# Altium PCB PROC054D_MMWCAS_RF_EVM_ASCII.PcbDoc (part 1 of 13) (continued)
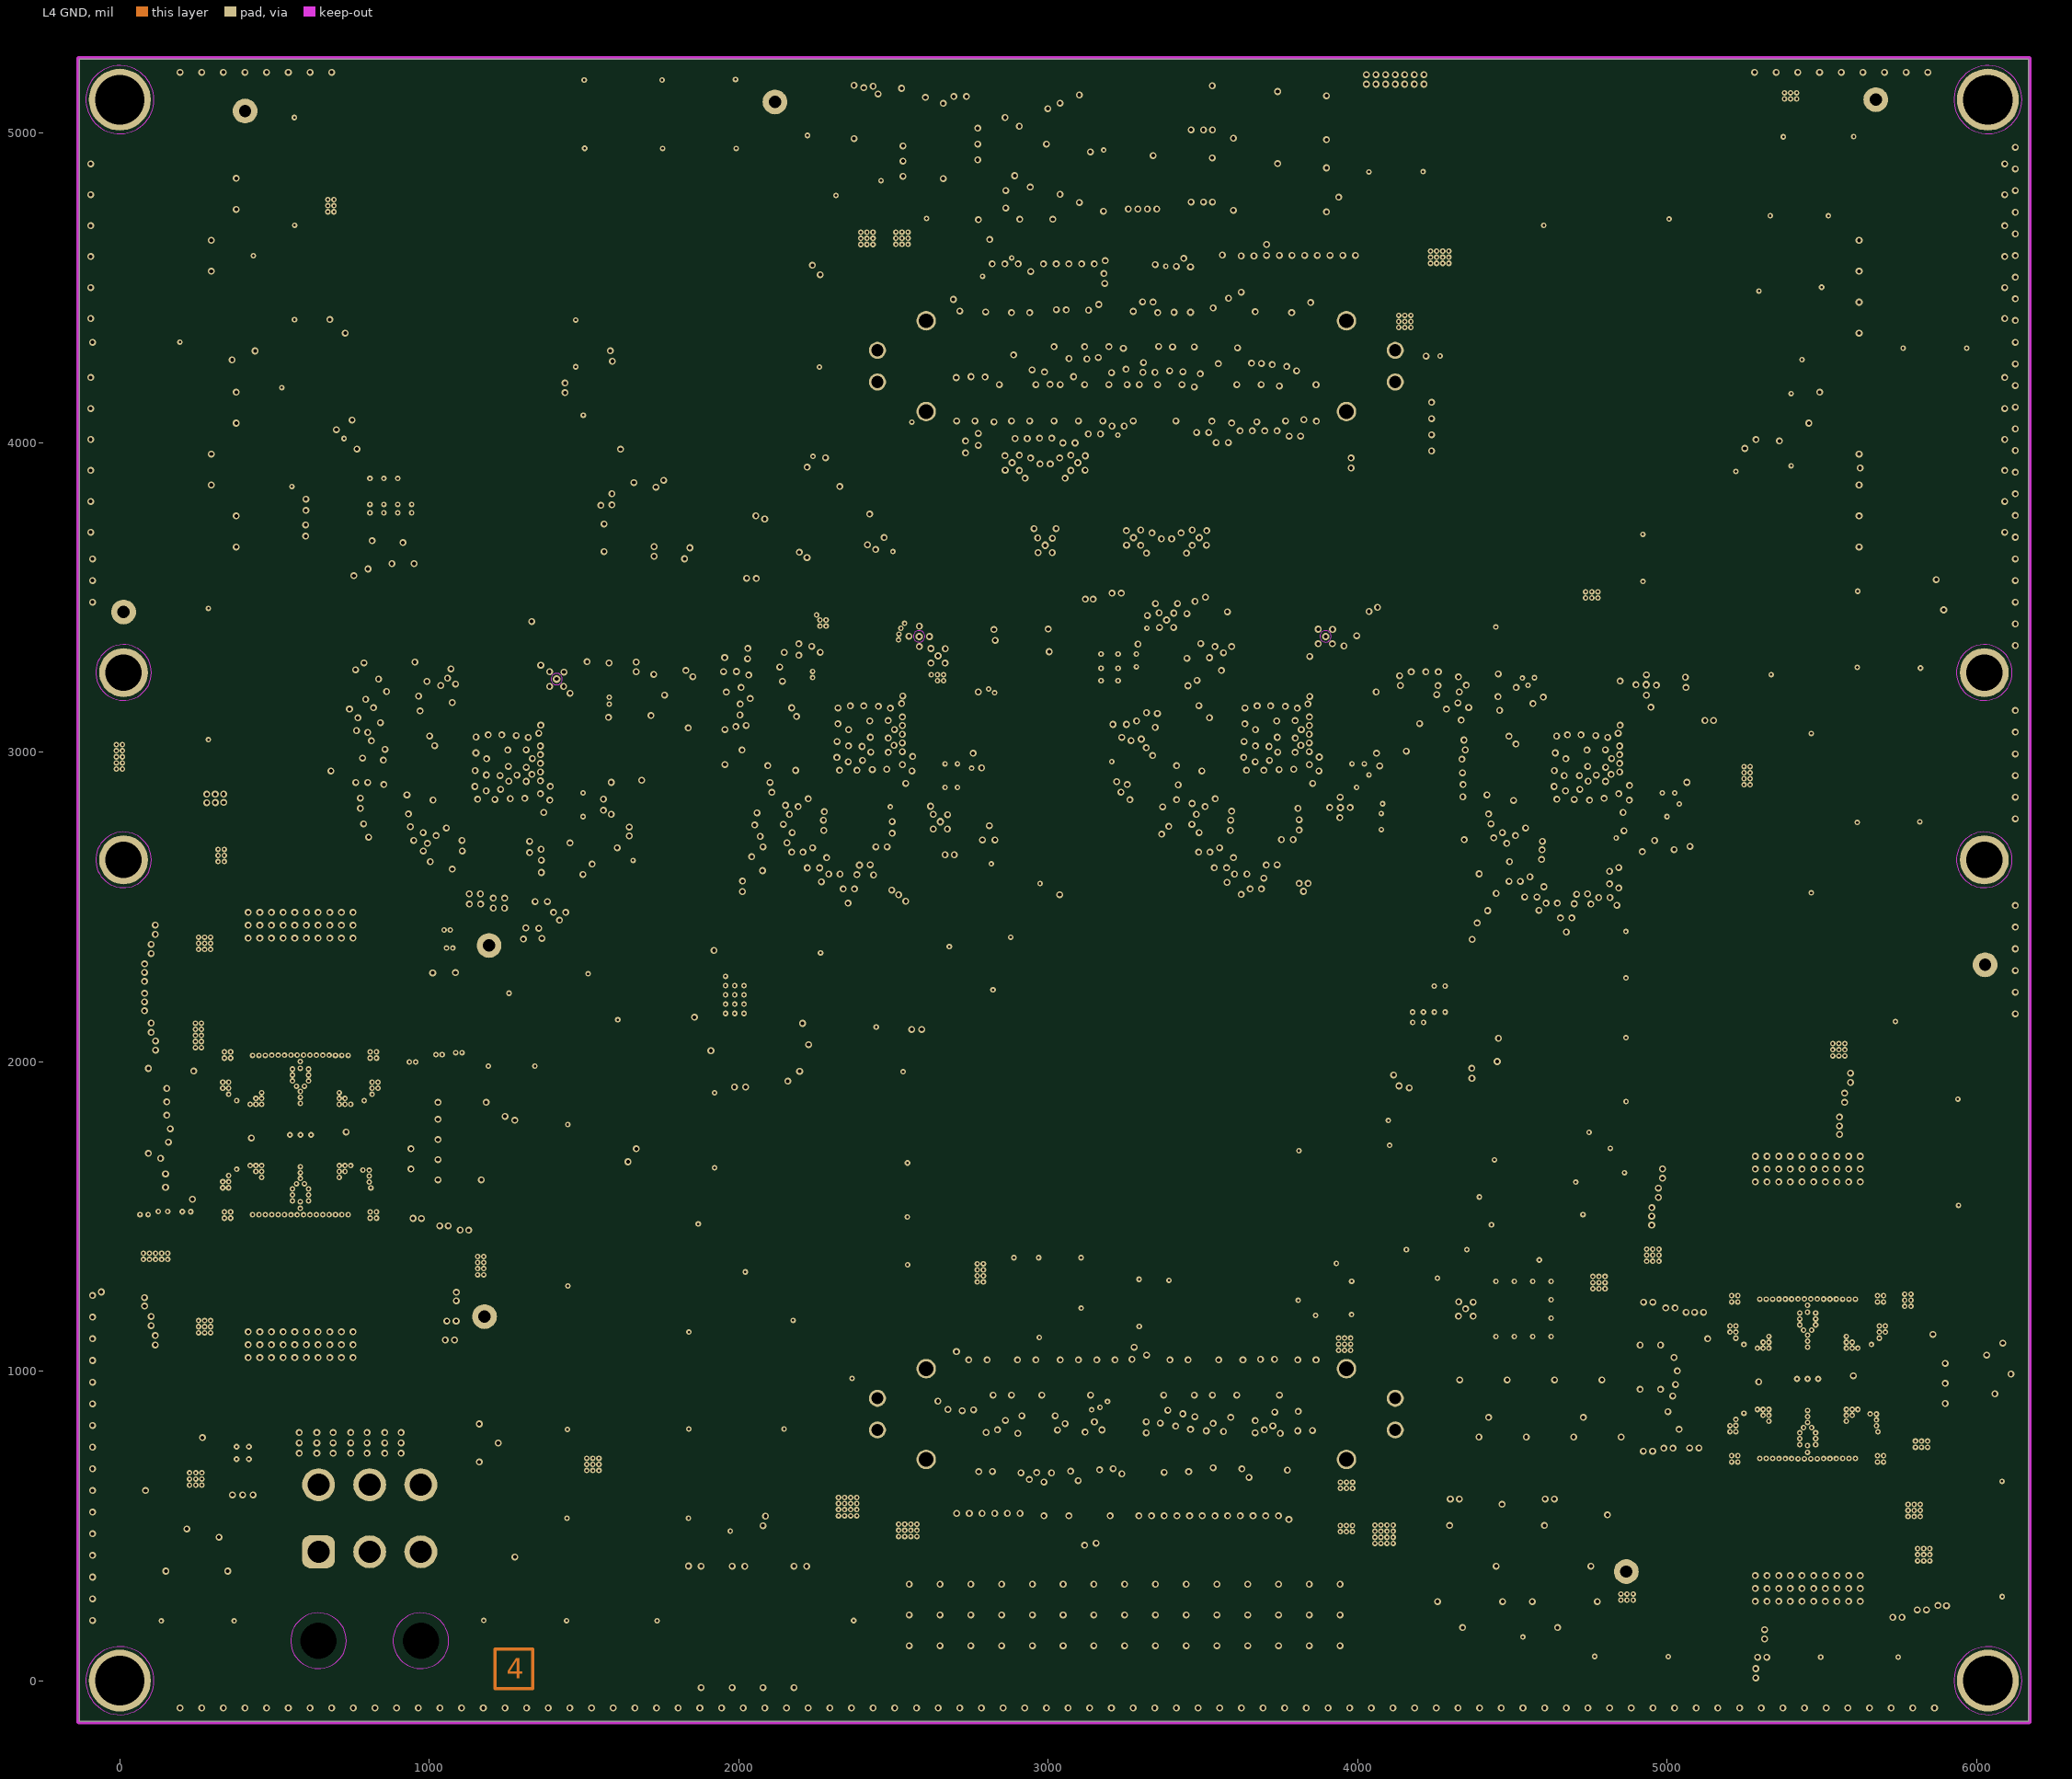
[diagram p4: L4 GND]
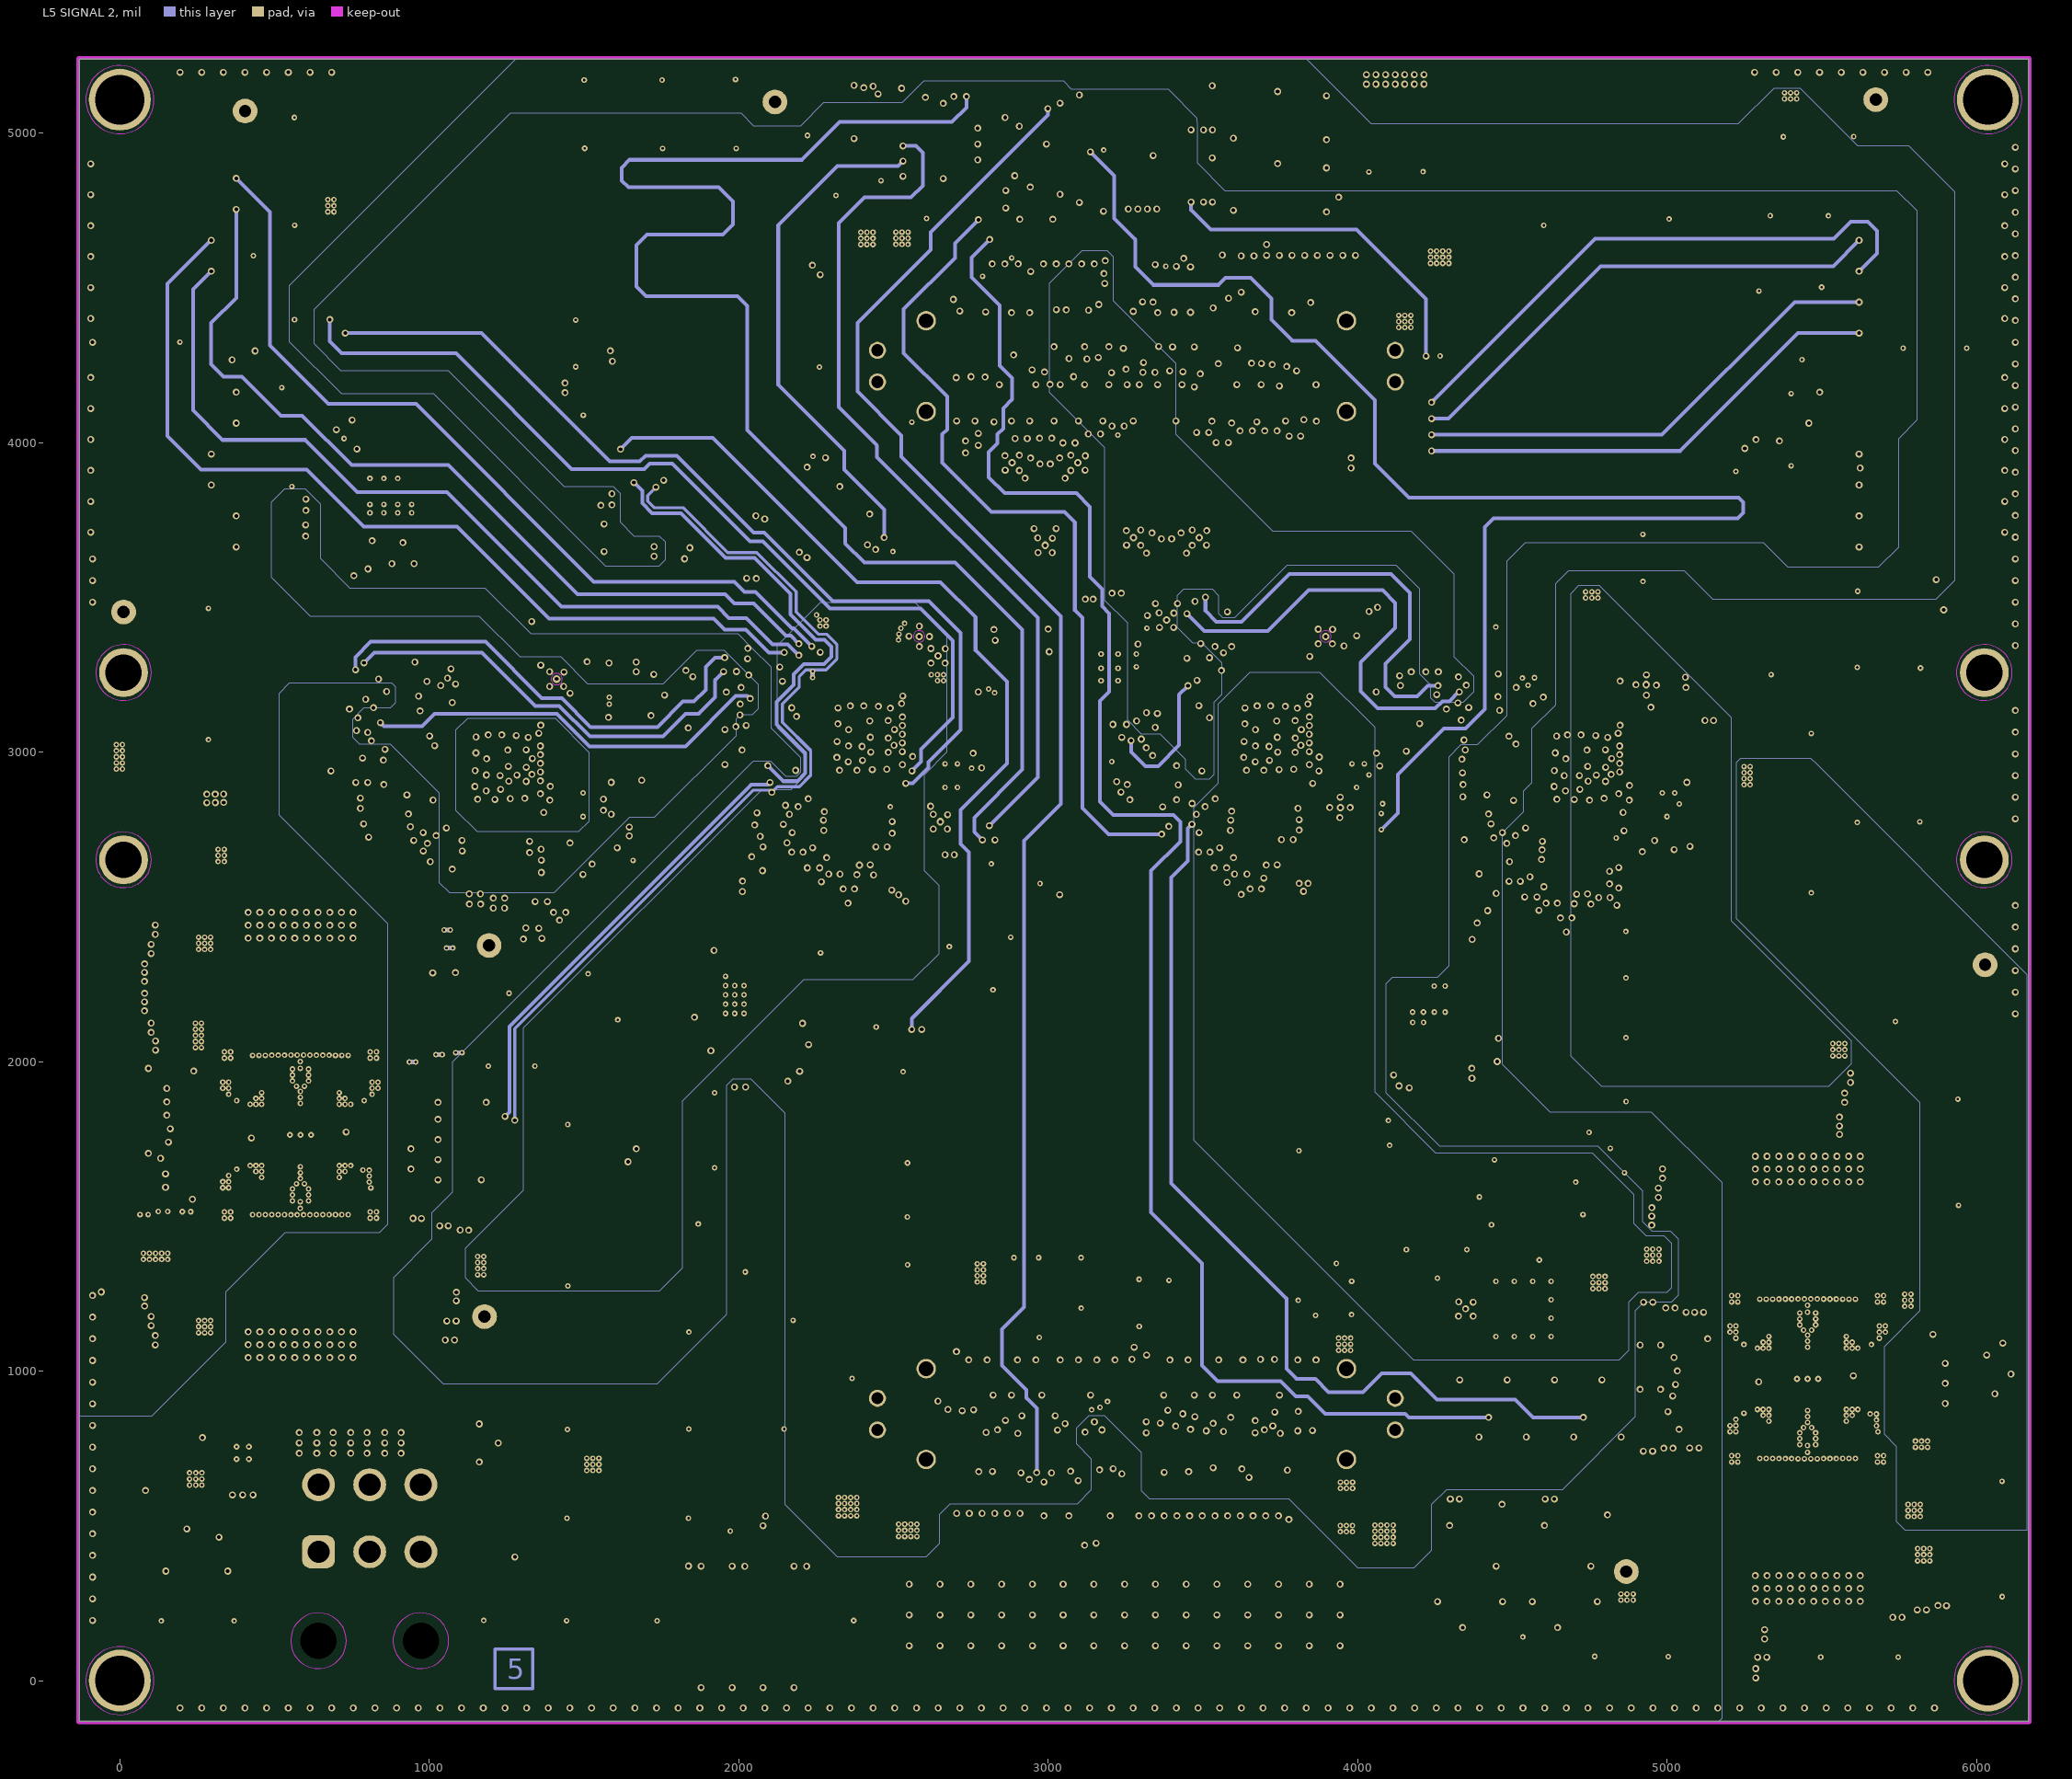
[diagram p5: L5 SIGNAL 2]
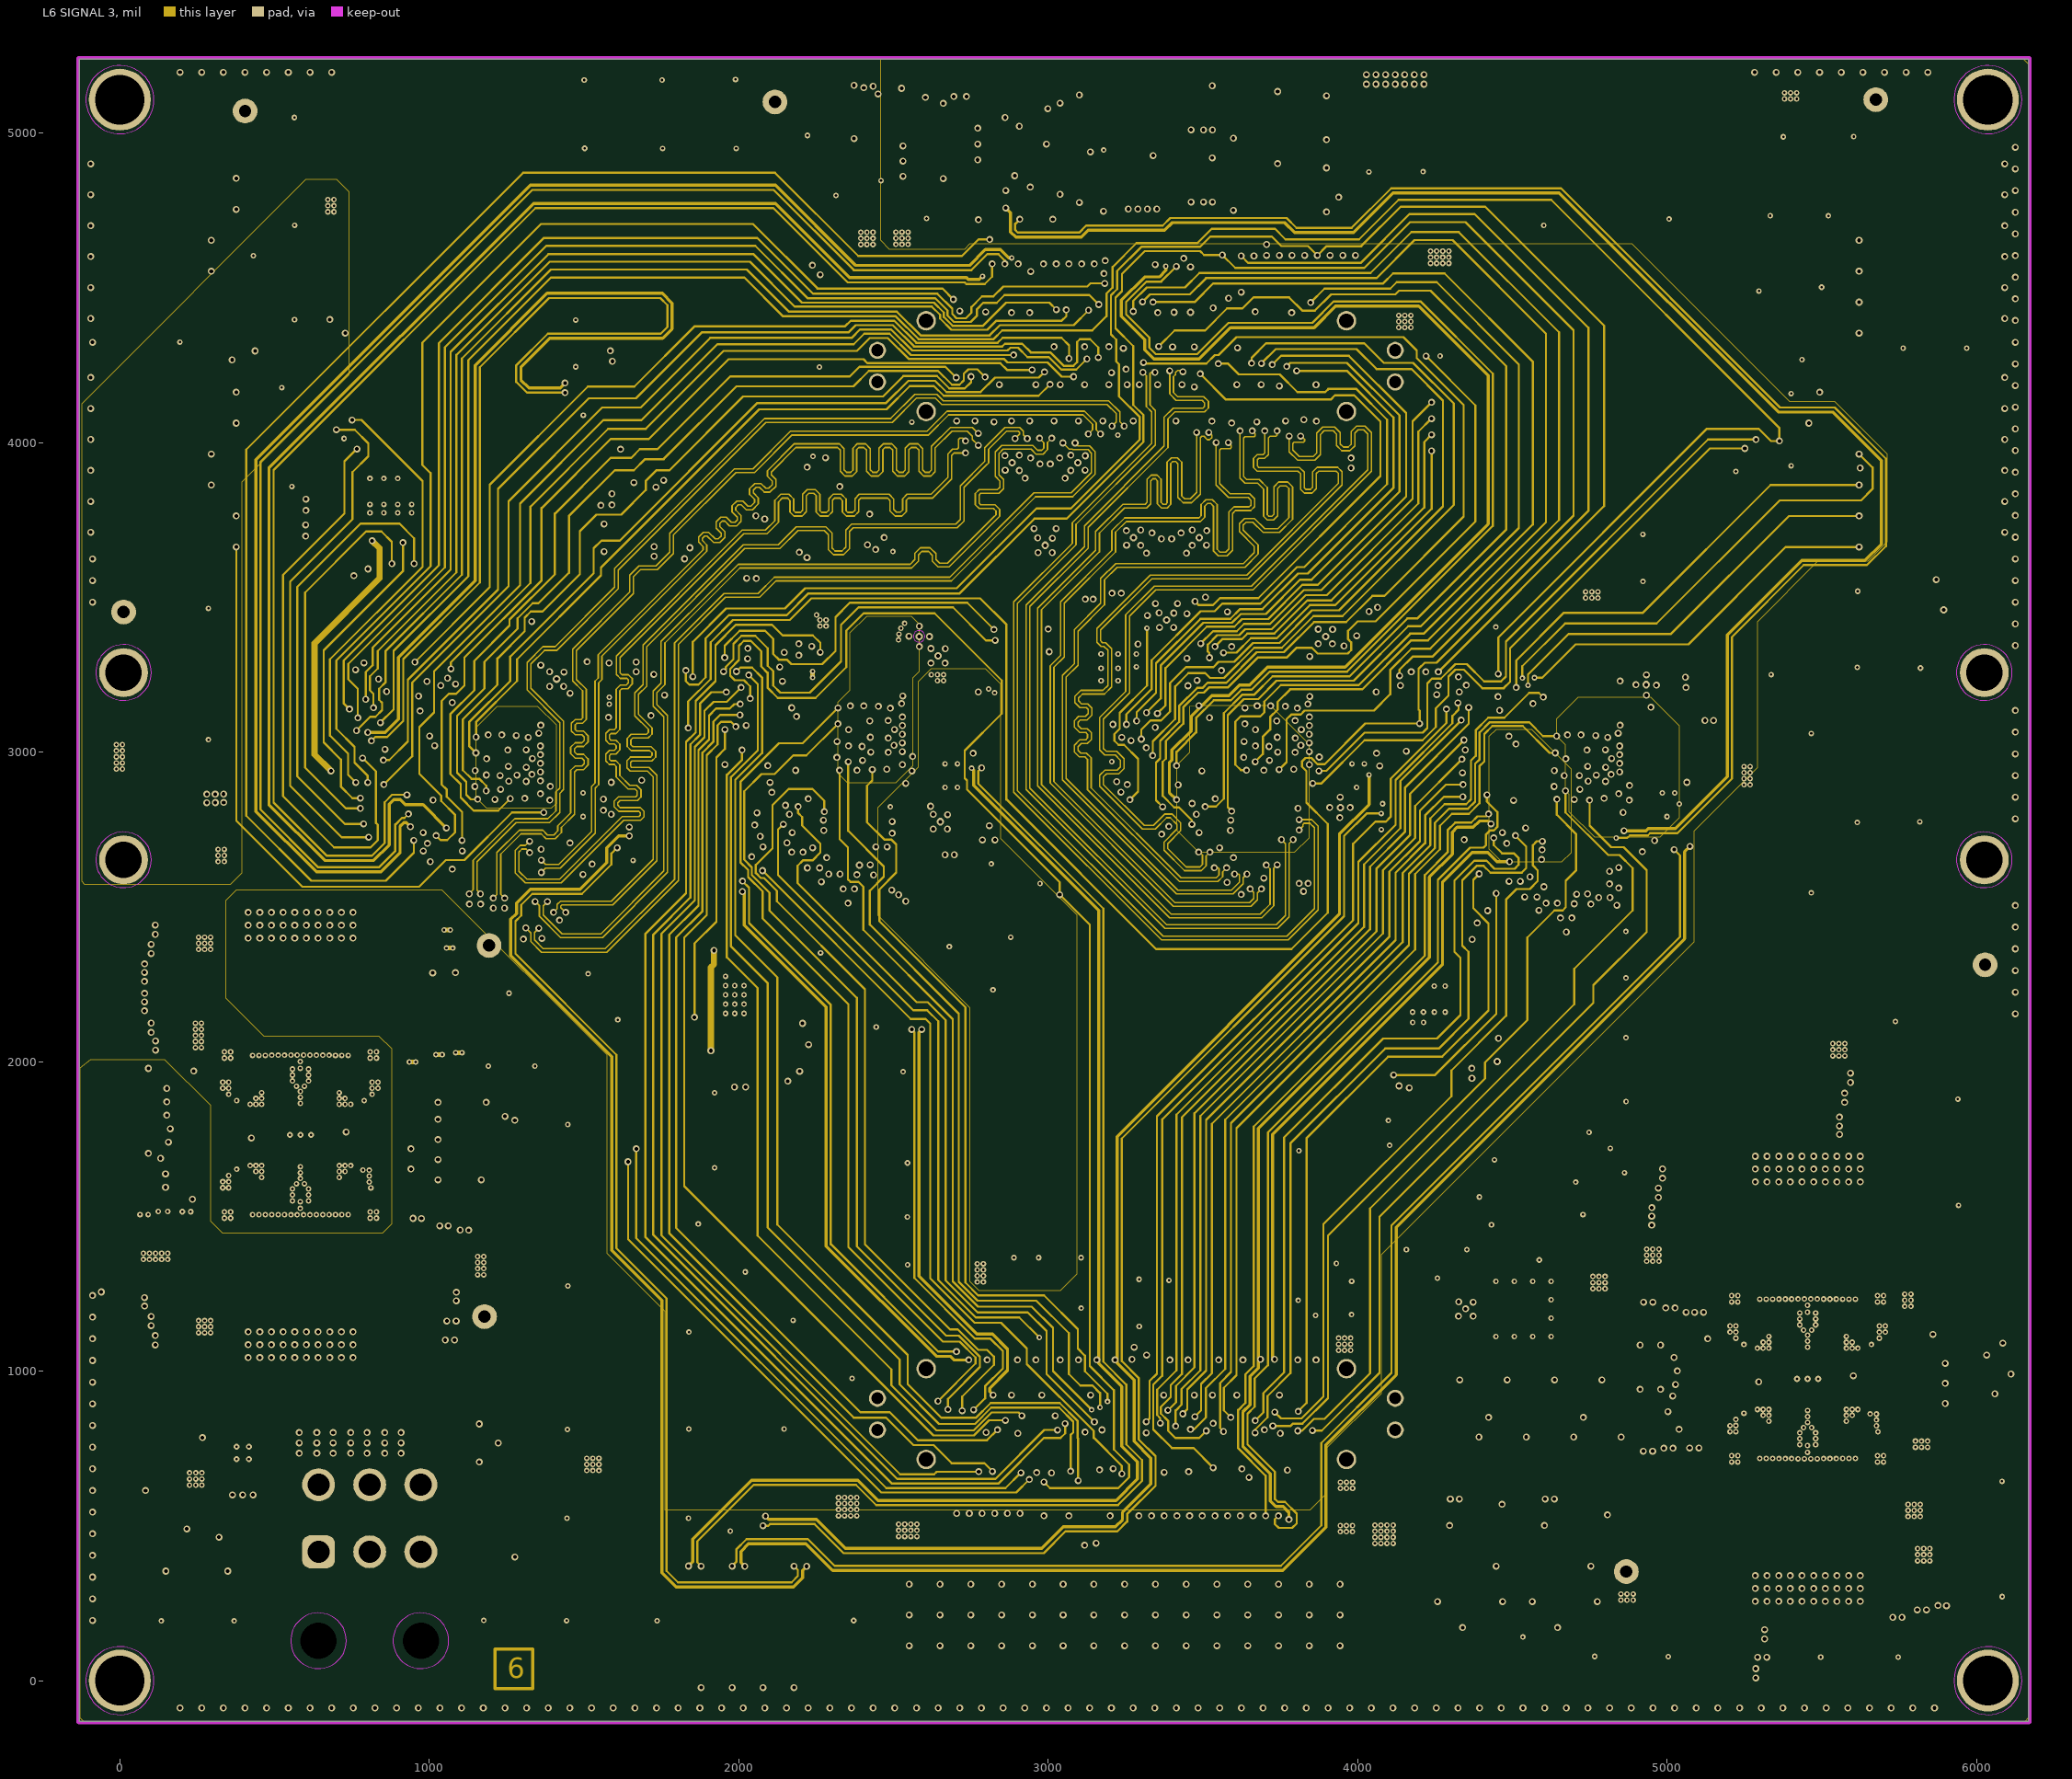
[diagram p6: L6 SIGNAL 3]